# KiCad board CanardBoard.kicad_pcb (continued)
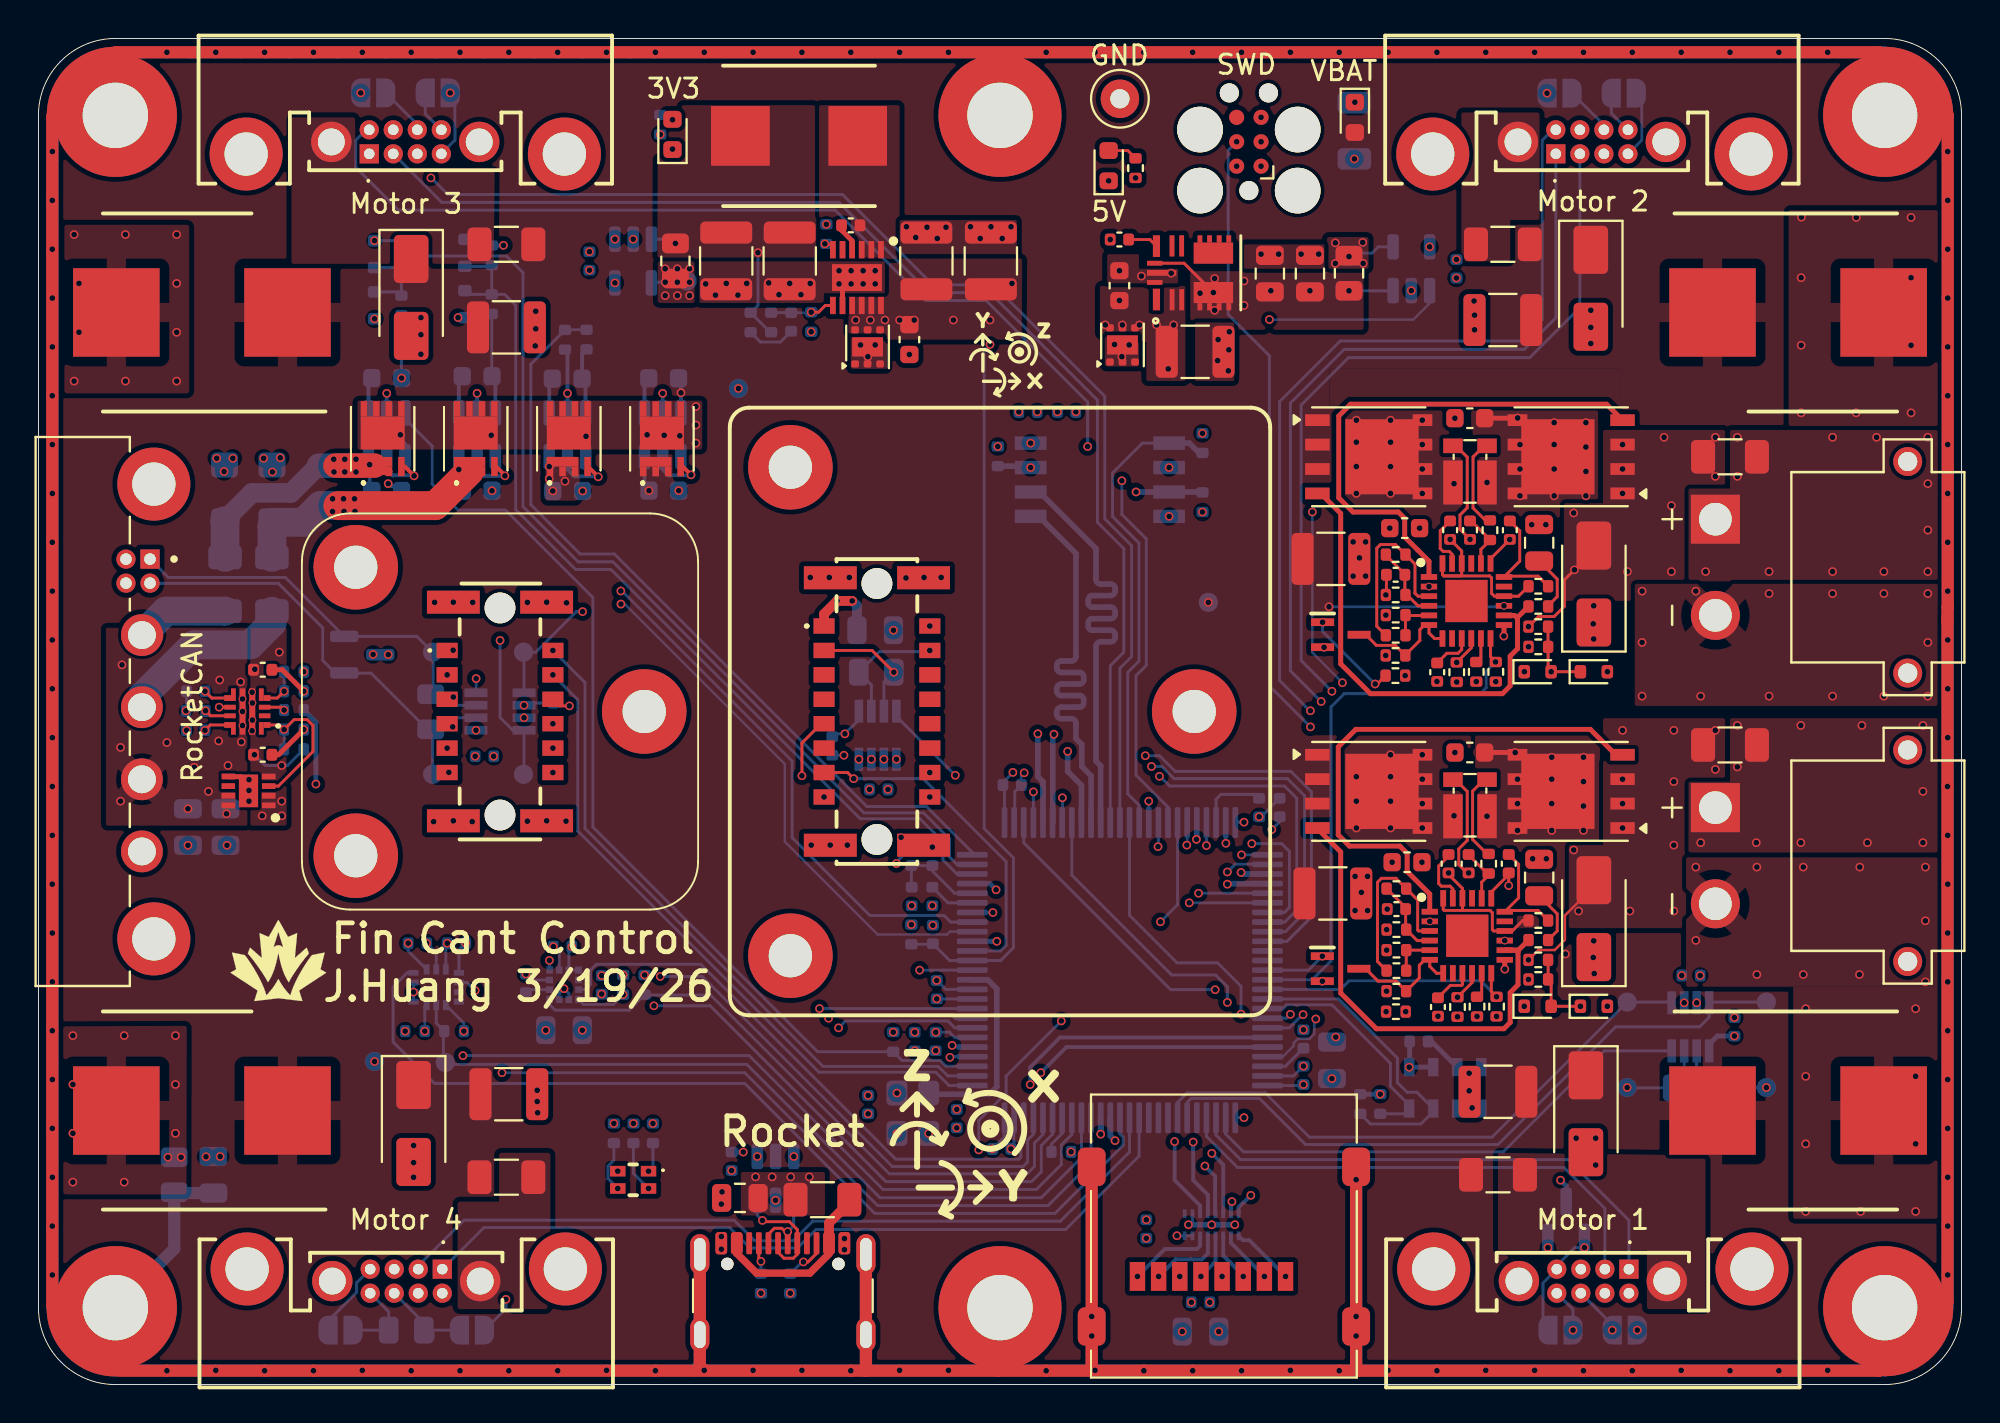
[diagram p0: board, top side]
## Routing (per net, layer and track width the routed paths; a pad name or vN(x,y) marks a point on that pad's centre or on a via; arc(x,y) is an arc through that point) (continued)
  Bottom w0.203: v2(63.04,9.84) 62.66,9.46 62.64,9.46 62.41,9.22 U22.8
  Bottom w0.293: U1.89 55.74,12.93 v2(55.98,12.69)
/Processor/SD_D3: length 23.4
  In3.Cu w0.293: v2(62.06,9.52) 62.06,9.01 61.62,8.57 61.62,7.43 61.04,6.84 55.57,6.84 55.27,7.15 55.27,7.52 arc(55.34,7.69) 55.51,7.76 56.03,7.76 arc(56.2,7.83) 56.27,8 56.27,8.12 arc(56.2,8.29) 56.03,8.36 54.51,8.36 arc(54.34,8.43) 54.27,8.6 54.27,8.72 arc(54.34,8.89) 54.51,8.96 56.03,8.96 arc(56.2,9.03) 56.27,9.2 56.27,9.32 arc(56.2,9.49) 56.03,9.56 54.51,9.56 arc(54.34,9.63) 54.27,9.8 54.27,9.92 arc(54.34,10.09) 54.51,10.16 55.03,10.16 arc(55.2,10.23) 55.27,10.4 55.24,10.43 v2(55.24,13.02)
  Bottom w0.203: U22.7 62.01,9.47 62.06,9.52 v2(62.06,9.52)
  Bottom w0.293: v2(55.24,13.02) 55.24,13.03 55.24,13.03 U1.90
/Processor/SERVO1_RX: length 26.4
  Bottom w0.152: J6.2 81.45,9.16 79.32,11.29 62.35,11.29 60.74,12.91 U1.79
/Processor/SERVO1_TX: length 26.8
  In3.Cu w0.152: J6.1 82.68,6 82.65,6.03
  Bottom w0.152: J6.1 82.7,8.54 79.55,11.69 62.51,11.69 61.24,12.97 U1.78
/Processor/SERVO2_RX: length 59.8
  In3.Cu w0.152: v2(67.26,36.05) 67.26,32.8 65.68,31.23 65.68,19.31 v2(65.76,19.24)
  Bottom w0.152: v2(65.76,19.24) 65.74,19.24 65.05,18.55 U1.69 ; J5.2 80.15,56.01 77.55,53.4 68.12,53.4 65.66,50.94 65.66,37.65 v2(67.26,36.05)
/Processor/SERVO2_TX: length 58.6
  In3.Cu w0.152: v2(66.7,35.52) 66.7,32.95 65.2,31.46 65.2,19.35 v2(65.1,19.25)
  Bottom w0.152: v2(66.7,35.52) 65.1,37.12 65.1,51.04 67.89,53.83 77.27,53.83 78.9,55.47 J5.1 ; U1.68 64.89,19.05 65.09,19.25 v2(65.1,19.25)
/Processor/SERVO3_RX: length 64.7
  Bottom w0.152: J8.2 20.97,61.48 41.63,61.48 46.33,56.78 49.48,56.78 55.07,51.19 55.07,44.84 56.44,43.47 56.44,38.08 55.74,37.38 U1.37
/Processor/SERVO3_TX: length 66.5
  In3.Cu w0.152: v2(20.41,62.75) 18.45,62.75 J8.1
  Bottom w0.152: U1.38 56.24,37.25 56.84,37.86 56.84,43.62 55.45,45.02 55.45,51.39 49.66,57.19 46.51,57.19 41.81,61.88 21.28,61.88 20.42,62.75 v2(20.41,62.75)
/Processor/SERVO4_RX: length 42.3
  Bottom w0.152: U1.87 56.74,12.09 53.14,8.49 40.26,8.49 39.24,7.48 37.24,7.48 36.17,8.54 22.12,8.54 19.75,6.17 J7.2
/Processor/SERVO4_TX: length 41.5
  Bottom w0.152: U1.86 57.24,11.88 53.42,8.06 40.44,8.06 39.47,7.1 37.01,7.1 35.94,8.16 23.16,8.16 J7.1
/Processor/USB_D+: length 30.1
  In3.Cu w0.2: v2(52.12,16.22) 52.08,16.26 51.59,16.26 46.67,11.34 43.37,11.34 42.4,12.31 39.47,12.31 39.47,12.31 39.09,12.31 39.09,12.31 37.83,12.31 v2(37.38,11.86)
  Bottom w0.2: v2(37.38,11.86) 37.38,12.22 ; v2(52.12,16.22) 53.45,17.55 U1.71
/Processor/USB_D-: length 28.9
  In3.Cu w0.2: v2(39.28,11.86) 42.21,11.86 43.19,10.89 46.85,10.89 51.57,15.6 v2(51.57,15.6)
  Bottom w0.2: v2(51.57,15.6) 51.57,16.5 53.12,18.05 U1.70 ; v2(39.28,11.86) 39.28,12.22
/Processor/VCAP1: length 3.6
  Bottom w0.152: C2.2 63.27,30.69 61.49,30.69 61.24,30.44 U1.48
/Processor/VCAP2: length 2.3
  Bottom w0.152: 65.78,17.56 65.77,17.56 ; U1.73 64.84,16.55 C4.2
/RocketCAN/RCAN_H: length 21.7
  Bottom w0.152: 20.68,38.01 20.65,38.03 20.65,38.08 ; 20.68,35.87 21.22,35.33 U13.7 ; 20.52,38.01 20.52,35.87 ; TP5.1 19.67,38.91 D17.2 12.84,41.97 6.75,41.97 J10.1 6.17,43.29
/RocketCAN/RCAN_L: length 23.9
  Bottom w0.152: U13.6 21,34.67 20.68,34.36 20.68,34.05 ; J10.2 5.81,41.67 12.47,41.67 14.78,39.36 14.78,37.65 15.43,37.01 D17.1 15.92,36.99 17.3,36.99 20.24,34.05 20.68,34.05 ; TP6.1 20.5,34.02 ; 20.68,34.05 20.65,34.02
/RocketCAN/RKT_5V_OUT: length 3.5
  In3.Cu w0.152: v2(10.51,36.54) 12.37,36.54 12.9,37.07 v2(13.79,37.07)
  vias: v1(10.61,35.65) v1(10.61,35) v1(10.61,34.27) v2(4.34,37.42) v2(4.27,33.13) v2(4.27,30.34) v2(6.68,33.39) v2(7.77,29.94) v2(8.1,32.1) v2(8.84,30.85) v2(9.42,36.64) v2(9.37,33.47) v2(9.78,29.68) v2(9.86,32.19) v2(10.55,33.42)
/SD_Card/CLK_CARD: length 2.4
  Bottom w0.203: U22.12 61.21,6.4 60.45,5.65
  Bottom w0.335: 60.45,5.65 v2(60.45,5.62)
/SD_Card/CMD_CARD: length 2.5
  Bottom w0.203: 62.65,5.66 61.61,6.7 U22.11
  Bottom w0.335: 62.65,5.66 v2(62.65,5.62)
/SD_Card/DAT0_CARD: length 4
  Bottom w0.203: U22.13 60.81,6.82 60.5,6.51 59.14,6.51 v2(58.25,5.62)
/SD_Card/DAT1_CARD: length 4.4
  Bottom w0.203: U22.14 60.41,7.22 60.24,7.05 58.57,7.05 v2(57.15,5.62)
/SD_Card/DAT2_CARD: length 3.4
  Bottom w0.203: U22.9 62.64,7.5 62.97,7.5 v2(64.85,5.62)
  Bottom w0.335: 64.85,5.67 v2(64.85,5.62)
/SD_Card/DAT3_CARD: length 2.8
  Bottom w0.203: 63.75,5.63 62.01,7.37 U22.10
  Bottom w0.335: 63.75,5.63 v2(63.75,5.62)
/Servos/CANH_4: length 4.9
  Bottom w0.152: 20.52,2.73 20.52,2.4 ; JP3.2 R44.1 20.04,3.21 J7.7 ; 21.82,2.4 21.72,2.51
/Servos/CANH_12: length 85.3
  In3.Cu w0.152: v2(78.45,67.15) 78.2,66.91 78.2,63.3 78.37,63.13 80.57,63.13 81.4,63.96 J5.3 81.4,64 84.3,61.1 89.87,61.1 91.03,59.93 91.03,11.21 86.94,7.12 86.94,3.95 85.24,2.25 82.42,2.25 v2(81.84,2.83)
  Bottom w0.152: J6.7 81.84,3.11 v2(81.84,2.83)
/Servos/CANH_23: length 74.7
  In3.Cu w0.152: 21.65,66.01 21.65,63.71 21.24,63.3 20.4,63.3 J8.3 ; 21.65,66.01 20.5,67.17 v2(16.76,67.17) ; 21.65,66.01 24,68.36 78.29,68.36 J5.7
  Bottom w0.152: J5.7 81.4,65.5 JP7.2
/Servos/CANH_34: length 95.6
  In3.Cu w0.152: v2(24.31,4.43) 24.31,5.95 23.47,6.79 19.29,6.79 J7.3 11.61,12.89 11.61,16.77 8.08,20.31 4.01,20.31 3.38,20.94 3.38,39.23 4.6,40.45 6.63,40.45 8.58,42.4 8.58,64.96 9.83,66.2 18.75,66.2 J8.7
  Bottom w0.152: v2(24.31,4.43) 24.31,3.95 JP3.1 ; JP5.2 19.7,65.53 J8.7
/Servos/CANL_4: length 4.4
  Bottom w0.152: J7.8 18.21,3.79 R44.2 JP4.2 ; 16.55,2.54 16.68,2.4
/Servos/CANL_12: length 85.6
  In3.Cu w0.152: J5.4 84.95,61.71 90.07,61.71 92.35,59.42 92.35,6.06 88.07,1.77 80.86,1.77 v2(79.8,2.83)
  Bottom w0.152: J6.8 79.8,3.91 v2(79.8,2.83) ; J5.4 83.37,64.72 83.37,66.87 JP8.1
/Servos/CANL_23: length 69.1
  In3.Cu w0.152: J5.8 79.19,68.72 22.96,68.72 v2(21.41,67.17)
  Bottom w0.152: v2(21.41,67.17) 21.65,66.93 21.65,64.7 J8.4 ; JP8.2 81.79,66.12 J5.8
/Servos/CANL_34: length 91.2
  In3.Cu w0.152: J8.8 19.67,66.53 9.45,66.53 8.25,65.34 8.25,42.58 6.48,40.8 4.42,40.8 2.87,39.25 2.87,20.69 3.76,19.8 7.82,19.8 11.15,16.47 11.15,12.1 J7.4
  Bottom w0.152: J8.8 20.11,66.09 JP6.2 ; JP4.1 15.06,3.31 16.55,4.8 16.55,5.3 J7.4
/Servos/S_CAN_H: length 24.4
  In3.Cu w0.152: v2(83.14,2.83) 83.42,3.11 83.42,6.69 83.19,6.92 81.13,6.92 80.21,6 J6.3 79.08,7.12 v2(78.49,7.12) 78.49,7.64 82.61,11.76 v2(82.61,15.44)
  Bottom w0.152: 82.63,15.43 R43.2 85.58,16.02 U6.7
/Servos/S_CAN_L: length 24.3
  In3.Cu w0.152: v2(89.85,15.44) 88.2,15.44 D10.1 v2(80.39,7.12)
  Bottom w0.152: 78.71,3.04 JP2.1 78.24,3.09 78.24,5.28 J6.4 78.95,6.19 79.88,7.12 v2(80.39,7.12) ; v2(89.85,15.44) 86.83,15.44 ; U6.6 86.23,16.02 R43.1
SHIELD: length 728.8
  Top w0.635: 0.75,66 arc(1.7,68.3) 4,69.25 4.03,69.28 95.72,69.28 96,69 ; 4,0.74 arc(1.69,1.69) 0.74,4 ; 96,69.25 arc(98.3,68.3) 99.25,66 ; 99.25,66 99.28,65.97 99.28,40.48 99.28,40.37 99.27,39.9 99.27,39.67 v2(99.27,31.1) 99.27,4.27 99,4 ; 99.25,66 99.27,66.02 ; 99.25,4 arc(98.3,1.7) 96,0.75 ; 43,0.72 43.03,0.75 J9.S1 ; 43,0.72 v2(42.24,0.72) v2(32.08,0.72) v2(27,0.72) v2(24.46,0.72) v2(21.92,0.72) v2(19.38,0.72) v2(14.3,0.72) v2(11.76,0.72) v2(6.68,0.72) 4.21,0.72 ; 43,0.72 49.89,0.72 ; J9.S1 34.42,2.56 ; J9.S1 34.39,6.77 ; J9.S1 34.26,2.73 ; J9.S1 34.39,0.97 v2(34.62,0.74) ; J9.S1 43.03,6.77 ; J9.S1 43.16,2.73 ; 96,1 95.72,0.72 v2(90.5,0.72) v2(87.96,0.72) v2(82.88,0.72) v2(80.34,0.72) v2(72.72,0.72) 68.61,0.72 ; J2.9 v2(54.77,3.54) J2.9 v2(54.77,2.53) 54.77,0.91 v2(54.94,0.74) ; H5.1 50,0.83 49.89,0.72 ; 0.8,66 0.72,65.92 v2(0.72,61.58) v2(0.72,59.04) v2(0.72,51.42) v2(0.72,43.8) v2(0.72,38.72) v2(0.72,31.1) v2(0.72,28.56) v2(0.72,26.02) v2(0.72,18.4) v2(0.72,13.32) v2(0.72,8.24) 0.72,4.12 0.84,4 ; 49.89,0.72 v2(52.4,0.72) v2(57.48,0.72) v2(60.02,0.72) v2(62.56,0.72) v2(67.64,0.72) 68.61,0.72 ; 68.61,0.72 68.52,0.81 v2(68.52,2.53) J2.9 v2(68.52,3.54) v2(68.52,10.65) J2.9
  Bottom w0.635: 43.13,0.74 v2(44.78,0.74) v2(47.32,0.74) v2(54.94,0.74) ; 43.13,0.74 v2(39.7,0.74) v2(37.16,0.74) v2(34.62,0.74) 34.11,0.74 ; 43.13,0.74 43.03,0.84 J9.S1 43.03,6.77 ; 34.11,0.74 34.39,1.02 J9.S1 34.39,6.77 ; 34.11,0.74 v2(29.54,0.74) v2(16.84,0.74) v2(9.22,0.74) 4,0.74 arc(1.69,1.69) 0.74,4 0.72,4.02 v2(0.72,5.7) v2(0.72,10.78) v2(0.72,15.86) v2(0.72,20.94) v2(0.72,23.48) v2(0.72,33.64) v2(0.72,36.18) v2(0.72,41.26) v2(0.72,46.34) v2(0.72,48.88) v2(0.72,53.96) v2(0.72,56.5) v2(0.72,64.12) 0.72,65.97 0.75,66 arc(1.7,68.3) 4,69.25 4.03,69.28 v2(6.68,69.28) v2(9.22,69.28) v2(11.76,69.28) v2(14.3,69.28) v2(16.84,69.28) v2(19.38,69.28) v2(21.92,69.28) v2(24.46,69.28) v2(27,69.28) v2(29.54,69.28) v2(32.08,69.28) v2(34.62,69.28) v2(37.16,69.28) v2(39.7,69.28) v2(42.24,69.28) v2(44.78,69.28) v2(47.32,69.28) v2(52.4,69.28) v2(54.94,69.28) v2(57.48,69.28) v2(60.02,69.28) v2(62.56,69.28) v2(65.1,69.28) v2(67.64,69.28) v2(70.18,69.28) v2(72.72,69.28) v2(75.26,69.28) v2(77.8,69.28) v2(80.34,69.28) v2(82.88,69.28) v2(85.42,69.28) v2(87.96,69.28) v2(90.5,69.28) v2(93.04,69.28) 95.97,69.28 96,69.25 arc(98.3,68.3) 99.25,66 99.28,65.97 v2(99.28,64.12) v2(99.28,61.58) v2(99.28,59.04) v2(99.28,56.5) v2(99.28,53.96) v2(99.28,51.42) v2(99.28,48.88) v2(99.28,46.34) v2(99.28,43.8) v2(99.28,41.26) v2(99.28,38.72) v2(99.28,36.18) v2(99.28,33.64) v2(99.28,28.56) v2(99.28,26.02) v2(99.28,23.48) v2(99.28,20.94) v2(99.28,18.4) v2(99.28,15.86) v2(99.28,13.32) v2(99.28,10.78) v2(99.28,8.24) v2(99.28,5.7) 99.28,4.03 99.25,4 arc(98.3,1.7) 96,0.75 95.99,0.74 v2(93.04,0.74) v2(85.42,0.74) v2(77.8,0.74) v2(75.26,0.74) v2(70.18,0.74) 68.5,0.74 ; v2(54.94,0.74) 54.77,0.91 v2(54.77,2.53) v2(54.77,3.54) ; v2(54.94,0.74) v2(65.1,0.74) 68.5,0.74 ; v2(68.52,10.65) v2(68.52,3.54) v2(68.52,2.53) 68.52,0.75 68.5,0.74 ; H2.1 7.06,7.06 R76.1 7.1,9.96 C90.1
Net-(C31-Pad1): length 2.9
  Top w0.152: 78.5,40.5 78.98,40.97 78.98,41.88 C31.1
Net-(C32-Pad1): length 2.9
  Top w0.152: C32.1 78.98,24.48 78.98,23.59 R32.2
Net-(C75-Pad2): length 2.6
  Bottom w0.152: C75.2 38.58,54.21 37.54,54.21 R69.1
Net-(D1-BK): length 2.7
  Bottom w0.152: 29.82,12.56 29.92,12.45 29.92,11.67 29.62,11.36 29.62,10.7 v2(30.12,10.2)
Net-(D1-GK): length 2.8
  Bottom w0.152: 31.72,10.11 v2(31.72,10.2) 30.94,10.98 R4.1
Net-(D1-RK): length 1.6
  Bottom w0.152: 32.05,12.56 31.95,12.45 31.95,11.32 v2(31.72,11.1)
Net-(D20-A): length 1.6
  Top w0.152: D20.2 56.64,64.17 R72.2
Net-(D21-A): length 0.7
  Bottom w0.254: v2(32.97,65.77) 32.72,65.77 32.46,66.03 32.34,66.03 R73.2
Net-(D22-K):
  vias: v2(68.45,66.69)
Net-(F1-Pad2):
  vias: v2(86.69,42.28) v2(88.34,49.26) v2(88.34,47.23) v2(89.99,42.28) v2(93.29,49.26) v2(93.29,42.28) v2(95.58,49.26) v2(95.96,42.28) v2(98.25,49.26) v2(98.25,46.85) v2(98.25,44.44) v2(98.25,42.28)
Net-(F2-Pad2):
  vias: v2(86.44,28.18) v2(88.34,34.28) v2(88.34,32.12) v2(89.33,28.18) v2(91.64,34.28) v2(91.64,28.18) v2(94.82,34.28) v2(95.1,28.18) v2(97.99,34.28) v2(97.99,30.85) v2(97.99,28.18)
Net-(F7-Pad2): length 9.5
  Top w0.381: 42.06,9.36 42.06,9.69 ; J9.A4 36.31,6.82 37.34,5.79 40.11,5.79 41.11,6.8 J9.A9
  Top w0.508: J9.A9 41.11,8.4 42.06,9.36
Net-(J1-SWCLK): length 56.3
  In3.Cu w0.152: v2(62.69,13.88) 60.68,15.89 60.68,21.27 64.72,25.31 64.72,31.73 66.14,33.16 v2(66.14,34.2)
  Bottom w0.152: v2(62.31,64.63) 61.87,64.19 61.87,55.64 64.01,53.5 64.01,36.33 v2(66.14,34.2) ; v2(62.69,13.88) 62.68,13.87 U1.76 62.24,13.87
Net-(J1-SWDIO): length 51.5
  In3.Cu w0.127: 67.82,36.46 67.82,32.73 66.17,31.07 66.17,19.42 66.18,19.41 66.18,19.25 v2(66.42,19.01) ; v2(66.24,45.37) 65.07,46.54 65.07,60.4 63.7,61.77 63.7,62.52 62.86,63.36 v2(62.31,63.36)
  Bottom w0.127: v2(67.81,36.5) 66.24,38.06 v2(66.24,45.37) ; v2(66.42,19.01) 66.34,18.93 66.34,18.23 66.09,17.98 65.48,17.98 65.28,17.77 65.28,17.62 64.71,17.05 U1.72
Net-(J9-CC1): length 1.6
  Top w0.152: J9.A5 37.46,6.51 v2(37.57,6.4)
  Bottom w0.152: v2(37.57,6.4) R46.1
Net-(J9-CC2): length 2.3
  Top w0.152: v2(39.78,6.38) 40.02,6.38 40.46,6.82 J9.B5
  Bottom w0.152: R45.1 39.7,6.38 v2(39.78,6.38)
Net-(J9-D+-PadA6): length 6.1
  Top w0.152: J9.A6 38.46,6.88 38.77,6.57 39.26,6.57 39.46,6.77 J9.B6 39.46,8.06 39.05,8.47 37.71,8.47 v2(37.64,8.54)
  Bottom w0.152: v2(37.64,8.54) 37.38,8.8 U7.3
Net-(J9-D--PadA7): length 4.6
  Top w0.152: J9.B7 37.96,7.82 38.27,8.13 38.65,8.13 38.96,7.82 J9.A7 v2(38.96,7.95)
  Bottom w0.152: v2(38.96,7.95) 39.27,8.26 39.27,9.57 U7.1
Net-(J10-+12V): length 9.6
  Top w1.5: J10.B 5.44,35.22
  Bottom w1.5: F9.1 12.14,39.59 11.02,38.47 8.08,38.47 5.38,35.77 J10.B
Net-(J10-+CHG): length 5.2
  Top w1.5: J10.A 5.74,38.97
  Bottom w1.5: F8.1 9.7,40.22 6.62,40.22 J10.A
Net-(Q3-PadD):
  vias: v2(68.53,50.15) v2(68.53,49.01) v2(68.53,47.74) v2(68.53,46.34) v2(70.31,50.15) v2(70.31,49.01) v2(70.31,47.74) v2(70.31,46.34) v2(71.96,50.15) v2(71.96,48.88) v2(71.96,47.61) v2(71.96,46.34) v2(73.61,46.85)
Net-(Q4-PadD):
  vias: v2(68.53,31.61) v2(68.53,30.34) v2(68.53,28.94) v2(70.31,32.75) v2(70.31,31.61) v2(70.31,30.34) v2(70.31,28.94) v2(71.96,32.75) v2(71.96,31.48) v2(71.96,30.21) v2(71.96,28.94) v2(73.61,29.58)
Net-(Q5-D): length 6.2
  Top w0.152: 71.08,38.11 71.24,38.11 71.83,38.69 71.83,39.25 72.07,39.5 U4.6 72.31,39.08 72.59,38.8 U4.7 ; R39.2 70.55,38.44 69.57,38.44 69.02,38.99 Q5.3
Net-(Q6-D): length 6.4
  Top w0.152: Q6.3 69.01,21.62 69.66,20.98 70.59,20.98 R40.2 71.81,21.14 71.81,21.8 72.09,22.09 U5.6 72.35,21.74 72.7,21.39 U5.7
Net-(R27-Pad1): length 4.8
  Top w0.152: R29.3 75.17,48.82 74.6,48.24 74.6,45.58 75.24,44.94 R27.1
Net-(R28-Pad1): length 4.5
  Top w0.152: 75.41,27.51 74.57,28.35 74.57,30.86 75.17,31.46
Net-(U1-BOOT0): length 2
  Bottom w0.152: R2.1 52.68,12.5 53.24,13.06 U1.94
Net-(U1-VREF+): length 2.4
  Bottom w0.152: 46.48,25.86 47.3,25.05 U1.20
Net-(U4-C): length 14.7
  Top w0.152: 73.08,42.05 75.46,42.05 75.56,41.95 75.56,41.14 75.71,41 U4.16 76.96,41 R25.1 ; 73.08,42.05 73.01,42.12 U4.24 ; 73.08,42.05 73.94,42.05 74.01,42.12 U4.22 74.01,43.35 v2(73.41,43.95)
  Top w0.254: Q1.D 76.81,50.25 C25.1
  In3.Cu w0.152: v2(73.41,43.95) 73.41,44.99 v2(75.32,46.91)
  vias: v2(76.92,50.27) v2(77.04,48.88) v2(77.04,47.61) v2(77.04,46.21) v2(78.82,50.02) v2(78.82,48.88) v2(78.82,47.61) v2(78.82,46.21) v2(80.47,50.02) v2(80.47,48.75) v2(80.47,47.48) v2(80.47,46.21)
Net-(U4-CAP): length 2.9
  Top w0.152: U4.23 73.51,43.18 73.36,43.33 73.04,43.33 72.89,43.48 72.89,44.4 C23.2
Net-(U4-CS+): length 2.9
  Top w0.152: 74.48,44.91 74.51,44.91 75.5,43.92 75.01,43.43 U4.20
Net-(U4-CS-): length 9.4
  Top w0.152: R29.2 73.71,48.82 74.29,48.23 74.29,45.59 73.92,45.22 73.92,44.47 v2(74.44,43.95) ; U4.19 75.51,42.95 v2(76.5,43.94) C28.2
  In3.Cu w0.152: v2(76.5,43.94) 76.5,43.95 v2(74.44,43.95)
  Bottom w0.152: 76.5,43.95 v2(76.5,43.94)
Net-(U4-DGATE): length 27.1
  Top w0.254: U4.1 72.31,42.82 71.73,43.39 71.73,43.39 71.04,44.08 71.04,45.04 70.71,45.37 68.35,45.37 67.61,46.11 67.61,50.37 68.23,50.98 81.54,50.98 Q1.G
Net-(U4-HGATE): length 24.4
  Top w0.152: 66.13,46.34 66.12,46.35
  Top w0.254: 76.89,39.87 76.76,40 U4.14 ; 76.89,39.87 R31.1 ; 76.89,39.87 76.91,39.84 76.91,38.26 76.53,37.88 76.53,36.33 76.12,35.93 69.27,35.93 67.72,37.48 67.72,45.3 66.67,46.34 Q3.G
Net-(U4-ILIM): length 1.3
  Top w0.152: U4.11 75.01,37.82 R35.1
Net-(U4-ISCP): length 6
  Top w0.152: R25.2 77.98,42.04 76.25,42.04 U4.18 77.03,42.82 77.03,44.4 C28.1
Net-(U4-OV): length 2.3
  Top w0.152: U4.5 72.3,39.99 71.23,39.99 71.08,40.13 71.08,39.12
Net-(U4-SW): length 9.5
  Top w0.152: U4.3 71.73,41 71.58,41.15 71.58,42.67 R17.1 70.56,43.68 69.79,43.68 69.59,43.49 69.59,39.44 R21.1
Net-(U4-TMR): length 2.1
  Top w0.152: C33.1 73.24,38.03 73.82,38.03 74.01,38.22 U4.9
Net-(U4-UVLO): length 3.9
  Top w0.152: U4.4 71.74,40.5 71.05,41.18 71.05,42.14 71.05,42.14 70.06,43.13 R17.2
Net-(U5-C): length 13.7
  Top w0.152: 73.33,26.52 74.05,25.8 U5.22 74.05,24.71 ; 74.05,24.71 74,24.66 73.1,24.66 73.05,24.71 U5.24 ; 74.05,24.71 74.1,24.66 75.48,24.66 75.49,24.65 75.49,24.64 75.5,24.64 75.6,24.54 75.6,23.66 75.67,23.59 U5.16 76.64,23.59 77.18,24.13 R26.1
  Top w0.254: C26.1 v2(76.79,32.87)
  In3.Cu w0.152: v2(75.32,29.55) 73.33,27.55 v2(73.33,26.6)
  vias: v2(76.91,31.48) v2(76.91,30.21) v2(76.91,28.81) v2(78.69,32.62) v2(78.69,31.48) v2(78.69,30.21) v2(78.69,28.81) v2(80.34,32.62) v2(80.34,31.35) v2(80.34,30.08) v2(80.34,28.81)
Net-(U5-CAP): length 3
  Top w0.152: 73.33,27.48 72.81,26.97 72.81,26.05 72.95,25.92 73.4,25.92 73.55,25.77 U5.23
Net-(U5-CS+): length 2.8
  Top w0.152: 74.37,27.48 74.43,27.48 75.41,26.49 75.05,26.13 U5.20
Net-(U5-CS-): length 10.3
  Top w0.152: v2(76.45,25.94) 76.45,26.52 75.55,25.61 U5.19 ; R30.2 73.68,31.46 74.29,30.84 74.29,28.29 73.85,27.85 73.85,27.03 74.37,26.52
  In3.Cu w0.152: v2(74.37,26.6) 74.37,26.6 75.03,25.94 v2(76.45,25.94)
Net-(U5-DGATE): length 27.4
  Top w0.254: 82.02,32.75 80.7,34.07 68.5,34.07 67.59,33.16 67.59,28.59 68.17,28 70.79,28 71.17,27.62 71.17,26.68 72.35,25.5 U5.1
Net-(U5-HGATE): length 24.8
  Top w0.254: R32.1 76.96,22.59 U5.14 76.83,22.59 76.94,22.48 76.94,20.79 76.53,20.38 76.53,18.83 76.2,18.5 69.57,18.5 67.72,20.36 67.72,27.7 66.5,28.91 Q4.G
Net-(U5-ILIM): length 1.3
  Top w0.152: U5.11 75.05,20.41 R36.1
Net-(U5-ISCP): length 6
  Top w0.152: C30.1 76.97,27.05 76.97,25.31 U5.18 76.31,24.65 77.98,24.65 R26.2
Net-(U5-OV): length 2.3
  Top w0.152: U5.5 72.34,22.59 R24.1 R23.2
Net-(U5-SW): length 9.6
  Top w0.152: R23.1 69.63,22 69.63,26.12 69.84,26.32 70.59,26.32 R19.1 71.72,25.2 71.72,23.64 71.77,23.59 U5.3
Net-(U5-TMR): length 2.1
  Top w0.152: U5.9 74.05,20.81 74,20.76 73.42,20.76 C34.1
Net-(U5-UVLO): length 4
  Top w0.152: U5.4 71.69,23.09 R20.1 71.09,23.69 C22.1 71.09,24.8 R19.2
Net-(U9-GATE): length 3.1
  Top w0.203: Q7.G 19.05,47.74 v2(19.53,47.25)
  Bottom w0.203: v2(19.53,47.25) 19.43,47.25 19.4,47.28 18.42,47.28 18.11,47.59 U9.5
Net-(U9-VCAP): length 1.9
  Bottom w0.203: C51.2 17.16,52.16 U9.1
Net-(U10-GATE): length 3
  Top w0.203: 23.71,47.72 Q8.G 23.8,47.74 24.26,47.28 v2(24.26,47.25)
  Bottom w0.203: U10.5 22.81,47.59 23.14,47.25 v2(24.26,47.25)
Net-(U10-VCAP): length 2
  Bottom w0.203: C52.2 21.86,52.26 U10.1
Net-(U11-GATE): length 3.2
  Top w0.203: Q9.G 28.57,47.74 v2(29.11,47.2)
  Bottom w0.203: U11.5 27.51,47.59 27.87,47.23 29.08,47.23 v2(29.11,47.2)
Net-(U11-VCAP): length 1.9
  Bottom w0.203: C53.2 26.56,52.15 U11.1
Net-(U12-GATE): length 3
  Top w0.203: v2(33.93,47.31) 33.51,47.73 33.4,47.73
  Bottom w0.203: U12.5 32.46,47.59 32.77,47.28 33.91,47.28 v2(33.93,47.31)
Net-(U12-VCAP): length 1.9
  Bottom w0.203: U12.1 31.51,52.11 C54.2
Net-(U14-DVDT): length 1.3
  Top w0.152: v2(8.66,36.05) 8.66,36.05 9.02,35.7 9.83,35.7 U14.7
Net-(U14-ILM): length 1.4
  Top w0.152: U14.9 8.95,34.78 v2(8.69,35.04)
Net-(U14-ITIMER): length 1.3
  Top w0.152: 8.66,34.02 v2(8.66,34.02) 8.94,34.3 U14.10
Net-(U14-PGTH): length 2
  Top w0.152: v2(12.77,36.05) 12.42,35.7 U14.4
  Bottom w0.152: R56.2 v2(12.77,36.05)
Net-(U15-C1): length 1.3
  Bottom w0.152: U15.5 25.5,20.54 C64.2
Net-(U17-BOOT): length 1.5
  Top w0.254: U17.4 42.31,59.48 41.76,60.03 41.76,60.26
Net-(U17-FB): length 3.4
  Top w0.152: v2(40.18,55.77) 40.57,55.77 40.92,56.12 41.31,56.12
  Bottom w0.152: v2(40.18,55.77) 40.15,55.74 C75.1 39.14,55.74 R67.1
Net-(U17-RT): length 0.7
  Top w0.152: v2(40.89,59.32) 40.92,59.29 41.25,59.29 41.31,59.23 U17.6
Net-(U18-FB): length 6
  Top w0.152: U18.9 59.57,58.31 v2(61.1,56.79)
  Bottom w0.152: U19.3 70.43,56.88 v2(68.15,56.88)
  vias: v2(60.4,56.75) v2(61.16,57.52) v2(61.16,55.86) v2(62.69,57.39) v2(62.69,56.12) v2(64.08,56.88) v2(66.12,56.88)
Net-(U18-VCC): length 1.6
  Top w0.152: U18.8 57.79,59.55 C72.2
Net-(U20-IN+): length 6.1
  Bottom w0.152: R67.2 38.05,54.72 R69.2 37.41,56.12 v2(37.41,58.86) ; v2(33.12,59.34) 32.9,59.56 U20.3

## Copper pours and planes (outline as drawn; the poured copper is in the pictures)
+3V3 on Top: 67,58.02 69.16,58.02 69.16,59.67 67,59.67
+3V3 on In2.Cu: -6.02,-7 108.28,-7 108.28,76.82 -6.02,76.82
+5V on Top: 34.11,58.41 34.11,56.25 32.21,56.25 32.21,58.41
+5V on Top, Bottom: 10.49,29.07 12.9,29.07 12.9,39.36 10.49,39.36
+5V on In2.Cu: 10.49,54.98 10.49,31.66 20.65,31.66 20.65,36.36 42.75,36.36 43.13,58.33 30.43,58.33 30.43,56.88 22.94,56.88 22.94,54.98
+5V on In2.Cu: 27.51,36.43 27.51,33.64 25.98,33.64 25.98,32.62 28.78,32.62 28.78,36.43
+5V_USB on Top, In2.Cu: 26.36,48.25 28.14,48.25 28.14,45.96 26.36,45.96
+5V_USB on Top, In2.Cu: 40.9,11.05 40.9,8.79 36.53,8.79 36.53,11.05
+5V_USB on Bottom, In2.Cu: 38.71,11.05 40.29,11.05 40.29,10.49 35.76,10.49 35.76,11.31 37.95,11.31 37.95,12.47 38.71,12.47
+VBAT on Top: 67.13,52.82 67.13,50.91 82.25,50.91 82.25,52.82
+VBAT on Top: -11.1,-9.54 110.82,-9.54 110.82,79.36 -11.1,79.36
GND on Top: 44.02,58.41 44.02,56.75 40.84,56.75 40.84,56.25 34.37,56.25 34.37,58.41
GND on Top: 1.22,9.89 7.7,9.89 7.71,18.65 1.19,18.63
GND on Top: 44.15,54.47 44.15,52.82 42.24,52.82 42.24,54.47
GND on Top: 91.25,8.62 98.86,8.62 98.86,27.42 91.25,27.42
GND on Top: 50.88,58.79 44.78,58.79 44.78,60.56 50.88,60.56
GND on Top: 59.26,58.02 59.26,57.26 55.57,57.27 55.57,58.79 57.23,58.79 57.23,58.02
GND on Top: 62.18,55.23 62.18,52.18 60.15,52.18 60.15,55.23
GND on Top: 57.23,54.59 57.23,52.94 55.45,52.94 55.45,54.59
GND on Top: 1.35,51.55 7.84,51.55 7.84,60.31 1.35,60.31
GND on Top: 66.88,59.29 66.88,58.02 62.69,58.02 62.69,59.29
GND on Top: 91.01,49.77 98.9,49.77 98.9,61.07 91.01,61.07
GND on Top, Bottom: 101.41,41.64 83.01,41.64 83.01,35.29 101.41,35.29
GND on Top, Bottom: 98.74,27.42 85.67,27.42 85.67,20.69 98.74,20.69
GND on Bottom: 3.5,29.96 3.5,25.89 10.87,25.89 10.87,29.96
GND on In1.Cu, In4.Cu: -8.56,-7 108.28,-7 108.28,79.36 -8.56,79.36
+VMUX on Top: 16.59,51.17 16.59,48.63 34.52,48.63 34.52,51.17
+VMUX on Top: 42.11,54.34 51.13,54.34 51.16,58.56 42.14,58.56
+VMUX on Top: 59.64,57.13 58.5,57.13 58.5,55.74 57.73,55.74 57.73,57.13 55.19,57.13 55.19,54.21 57.61,54.21 57.61,52.18 59.64,52.18
+VMUX on In2.Cu: 31.19,48.63 31.19,52.94 34.37,52.94 34.37,57.9 59.64,57.9 59.64,51.17 49.35,51.17 49.35,48.63
/Power Input/BAT1_IN on Top, Bottom: 87.71,46.72 87.71,49.64 81.36,49.64 81.36,45.83 79.32,45.83 79.32,40.75 85.67,40.75 85.67,46.72
/Power Input/BAT2_IN on Top, Bottom, In3.Cu: 87.71,34.66 81.36,34.66 81.36,28.05 79.58,28.05 79.58,23.73 85.67,23.73 85.67,30.85 87.71,30.85
/RocketCAN/RKT_5V_OUT on Top, Bottom, In2.Cu, In3.Cu: 10.86,29.07 3.5,29.07 3.5,39.36 10.86,39.36
Net-(F1-Pad2) on Top, Bottom: 85.8,41.77 101.93,41.77 101.93,49.64 87.96,49.64 87.96,46.59 85.8,46.59
Net-(F2-Pad2) on Top, Bottom: 85.8,27.67 101.8,27.67 101.68,34.66 87.96,34.66 87.96,31.35 85.8,31.35
Net-(J5-A1) on Top: 73.99,58.41 76.53,58.41 76.53,60.56 78.05,60.56 78.05,66.15 73.99,66.15
Net-(J6-A1) on Top: 75.9,12.05 75.9,6.97 83.64,6.97 83.64,3.92 86.69,3.92 86.69,11.92
Net-(J7-A1) on Top: 23.95,12.05 23.95,9.51 21.79,9.51 21.79,3.92 26.62,3.92 26.62,12.05
Net-(J8-A1) on Top: 23.67,58.28 23.72,63.1 16.51,63.1 16.46,65.9 13.16,65.9 13.16,58.28
Net-(Q3-PadD) on Top, Bottom, In2.Cu, In3.Cu: 74.37,40.75 74.37,52.44 67.51,52.44 67.51,40.75
Net-(Q4-PadD) on Top, Bottom, In2.Cu, In3.Cu: 74.5,23.73 74.5,35.67 67.77,35.67 67.77,23.73
Net-(U4-C) on Top, Bottom, In2.Cu, In3.Cu: 81.1,52.44 74.5,52.44 74.5,40.75 81.1,40.75
Net-(U5-C) on Top, Bottom, In2.Cu, In3.Cu: 81.23,35.67 74.62,35.67 74.5,23.73 81.1,23.73
Net-(U17-SW_1) on Top: 44.78,58.53 44.78,66.53 40.59,66.53 40.59,60.69 42.11,60.69 42.11,58.53
Net-(U18-FB) on Top, In2.Cu: 59.89,54.85 68.91,54.85 68.91,57.9 59.89,57.9
Net-(U18-FB) on In2.Cu: 59.87,52.06 68.88,52.06 68.88,54.98 59.87,54.97
Net-(U20-IN+) on Top: 40.46,66.53 32.21,66.53 32.18,58.43 40.44,58.43

Small or netless copper shapes (teardrops, artwork), in the pictures only: 18 on Bottom, 12 on In3.Cu

## Text on the board
B.Silkscreen: IMU_SDA | RCAN_H | RCAN_L | IMU_SCL | RCAN_TX | RCAN_RX | S_CAN_TX | S_CAN_H | S_CAN_L | S_CAN_RX | IMU | MAG | 5V | VMUX | GND | VBAT | 3V3 | BARO
User.Comments: 1oz outer, 1oz inner Stackup: JLC061611-7628
F.Silkscreen: Motor 3 | Motor 4 | 3V3 | GND | 5V | SWD | VBAT | Motor 2 | Motor 1 | RocketCAN | J.Huang 3/19/26 | Fin Cant Control | Rocket
